# Altium PCB SVEC.pcbdoc (part 1 of 18) (continued)
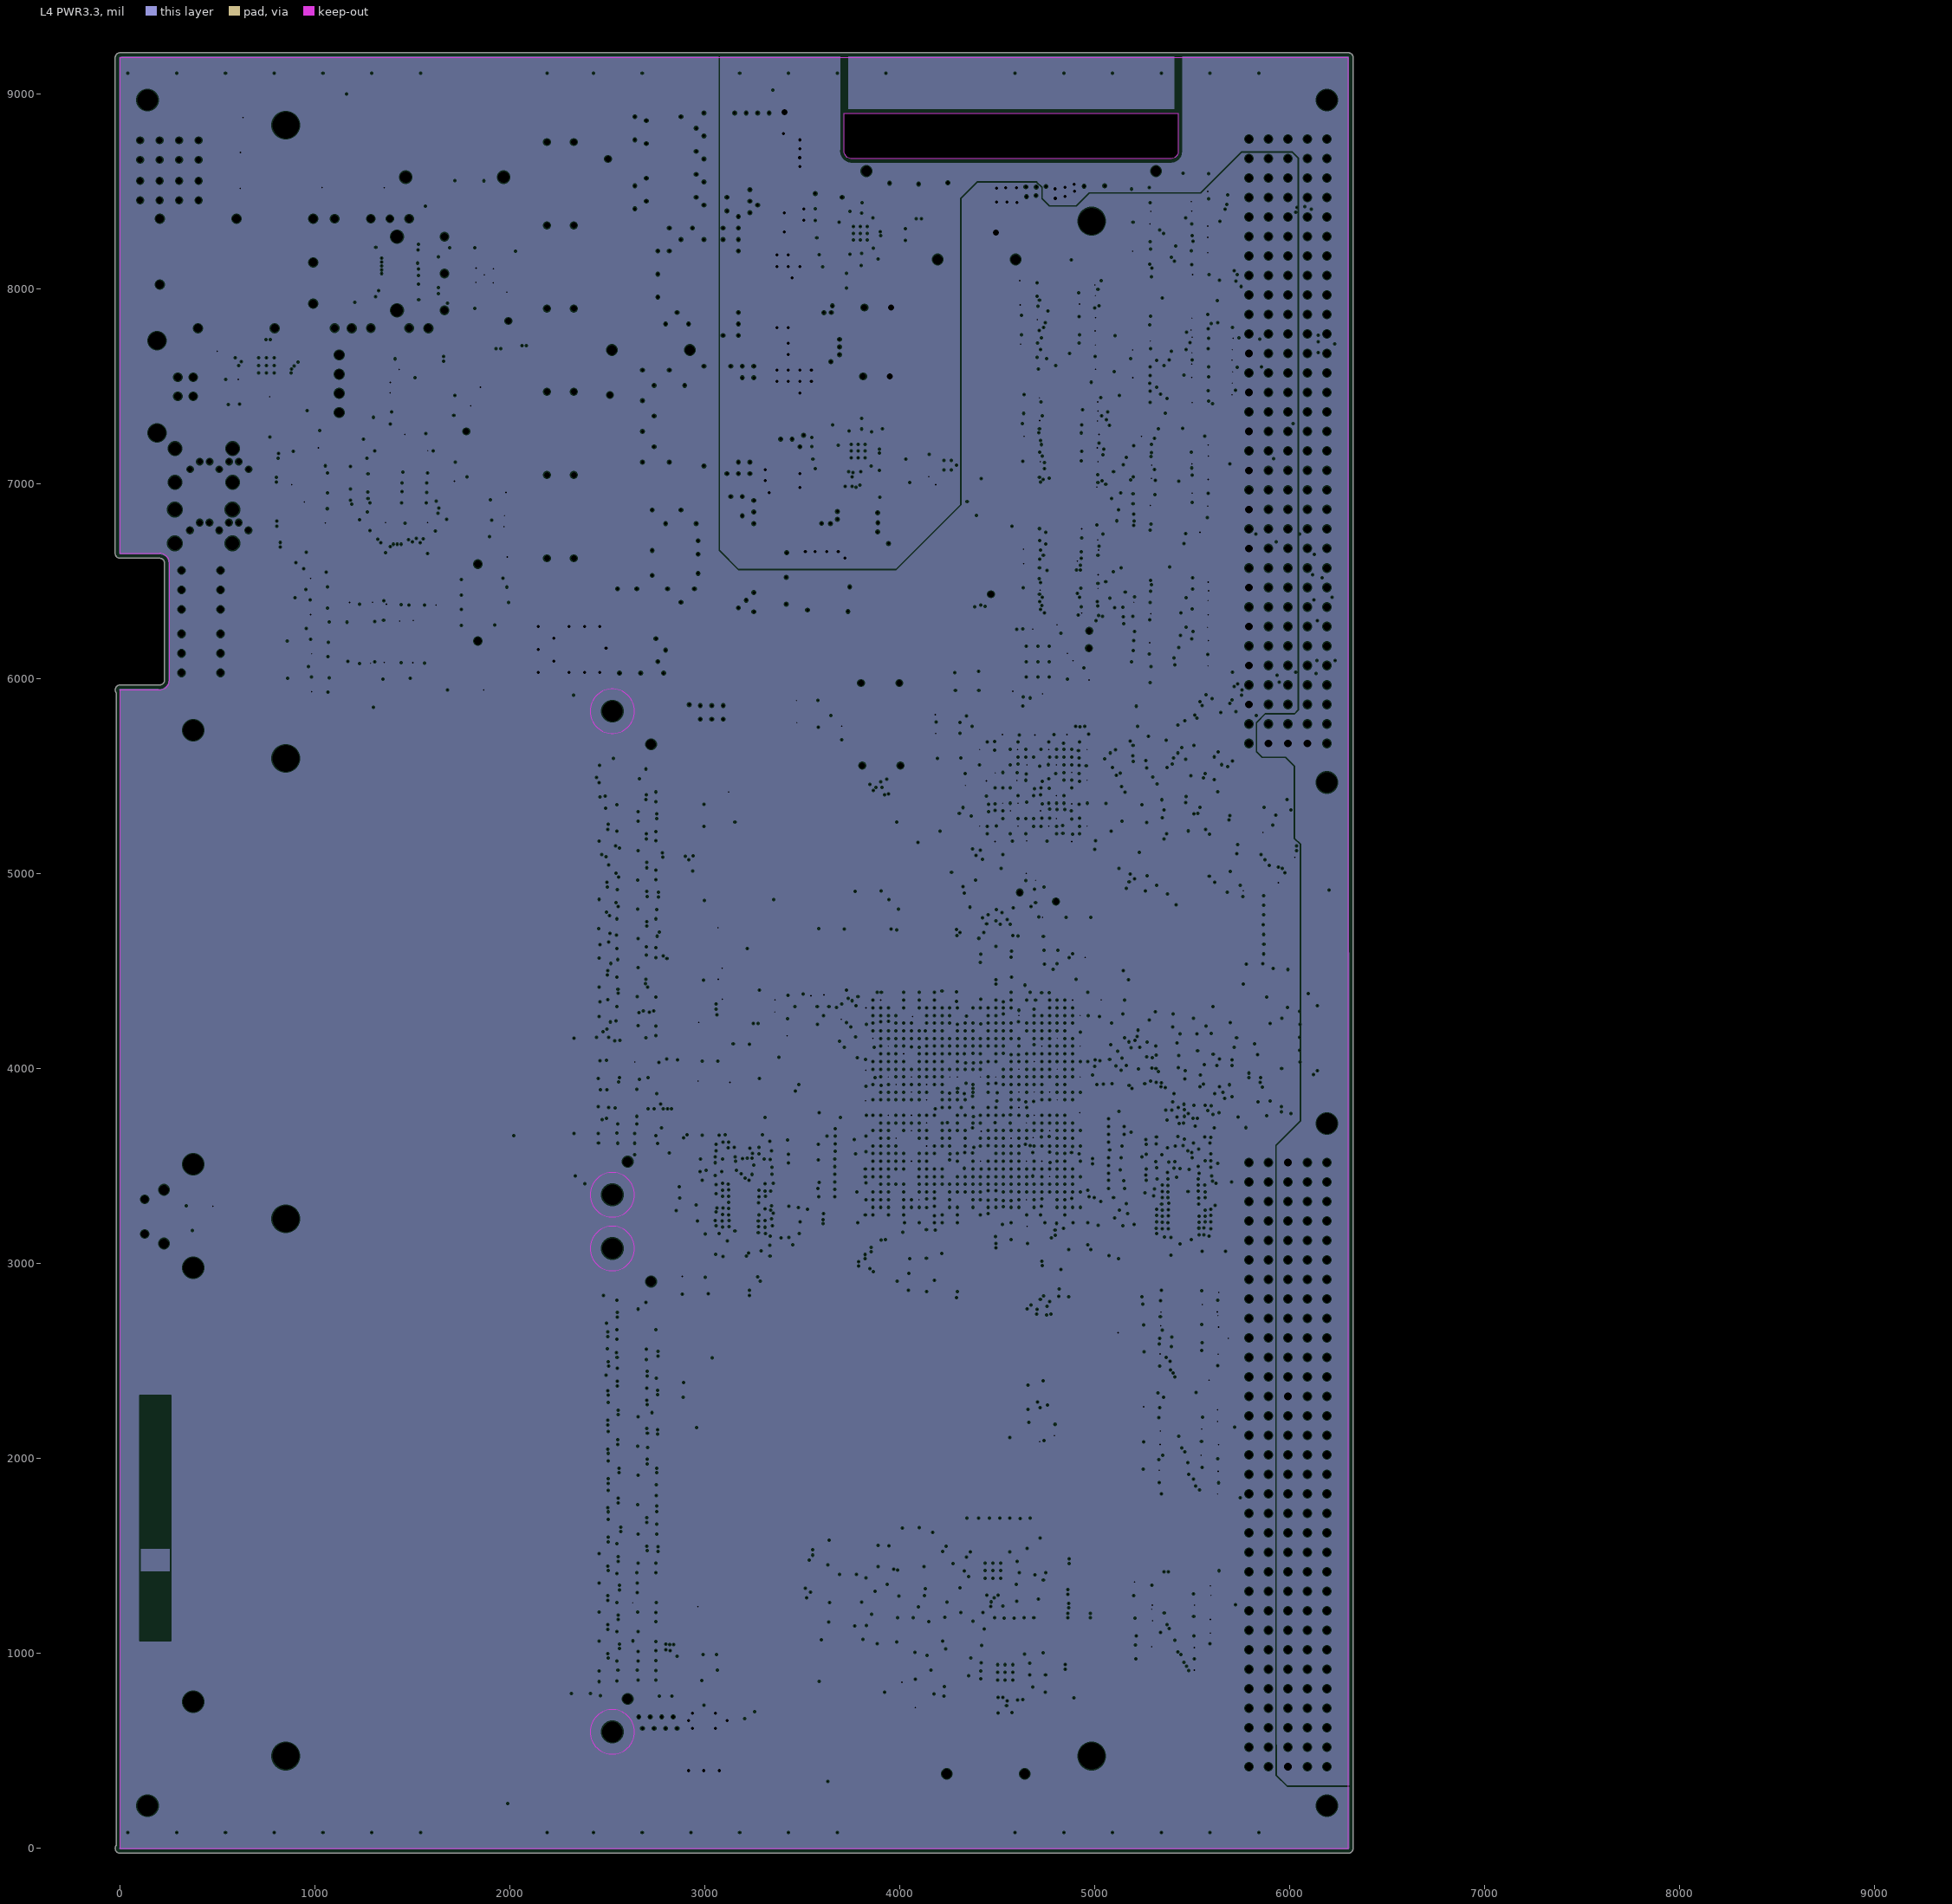
[diagram p4: L4 PWR3.3, clearances drawn from the general rule]
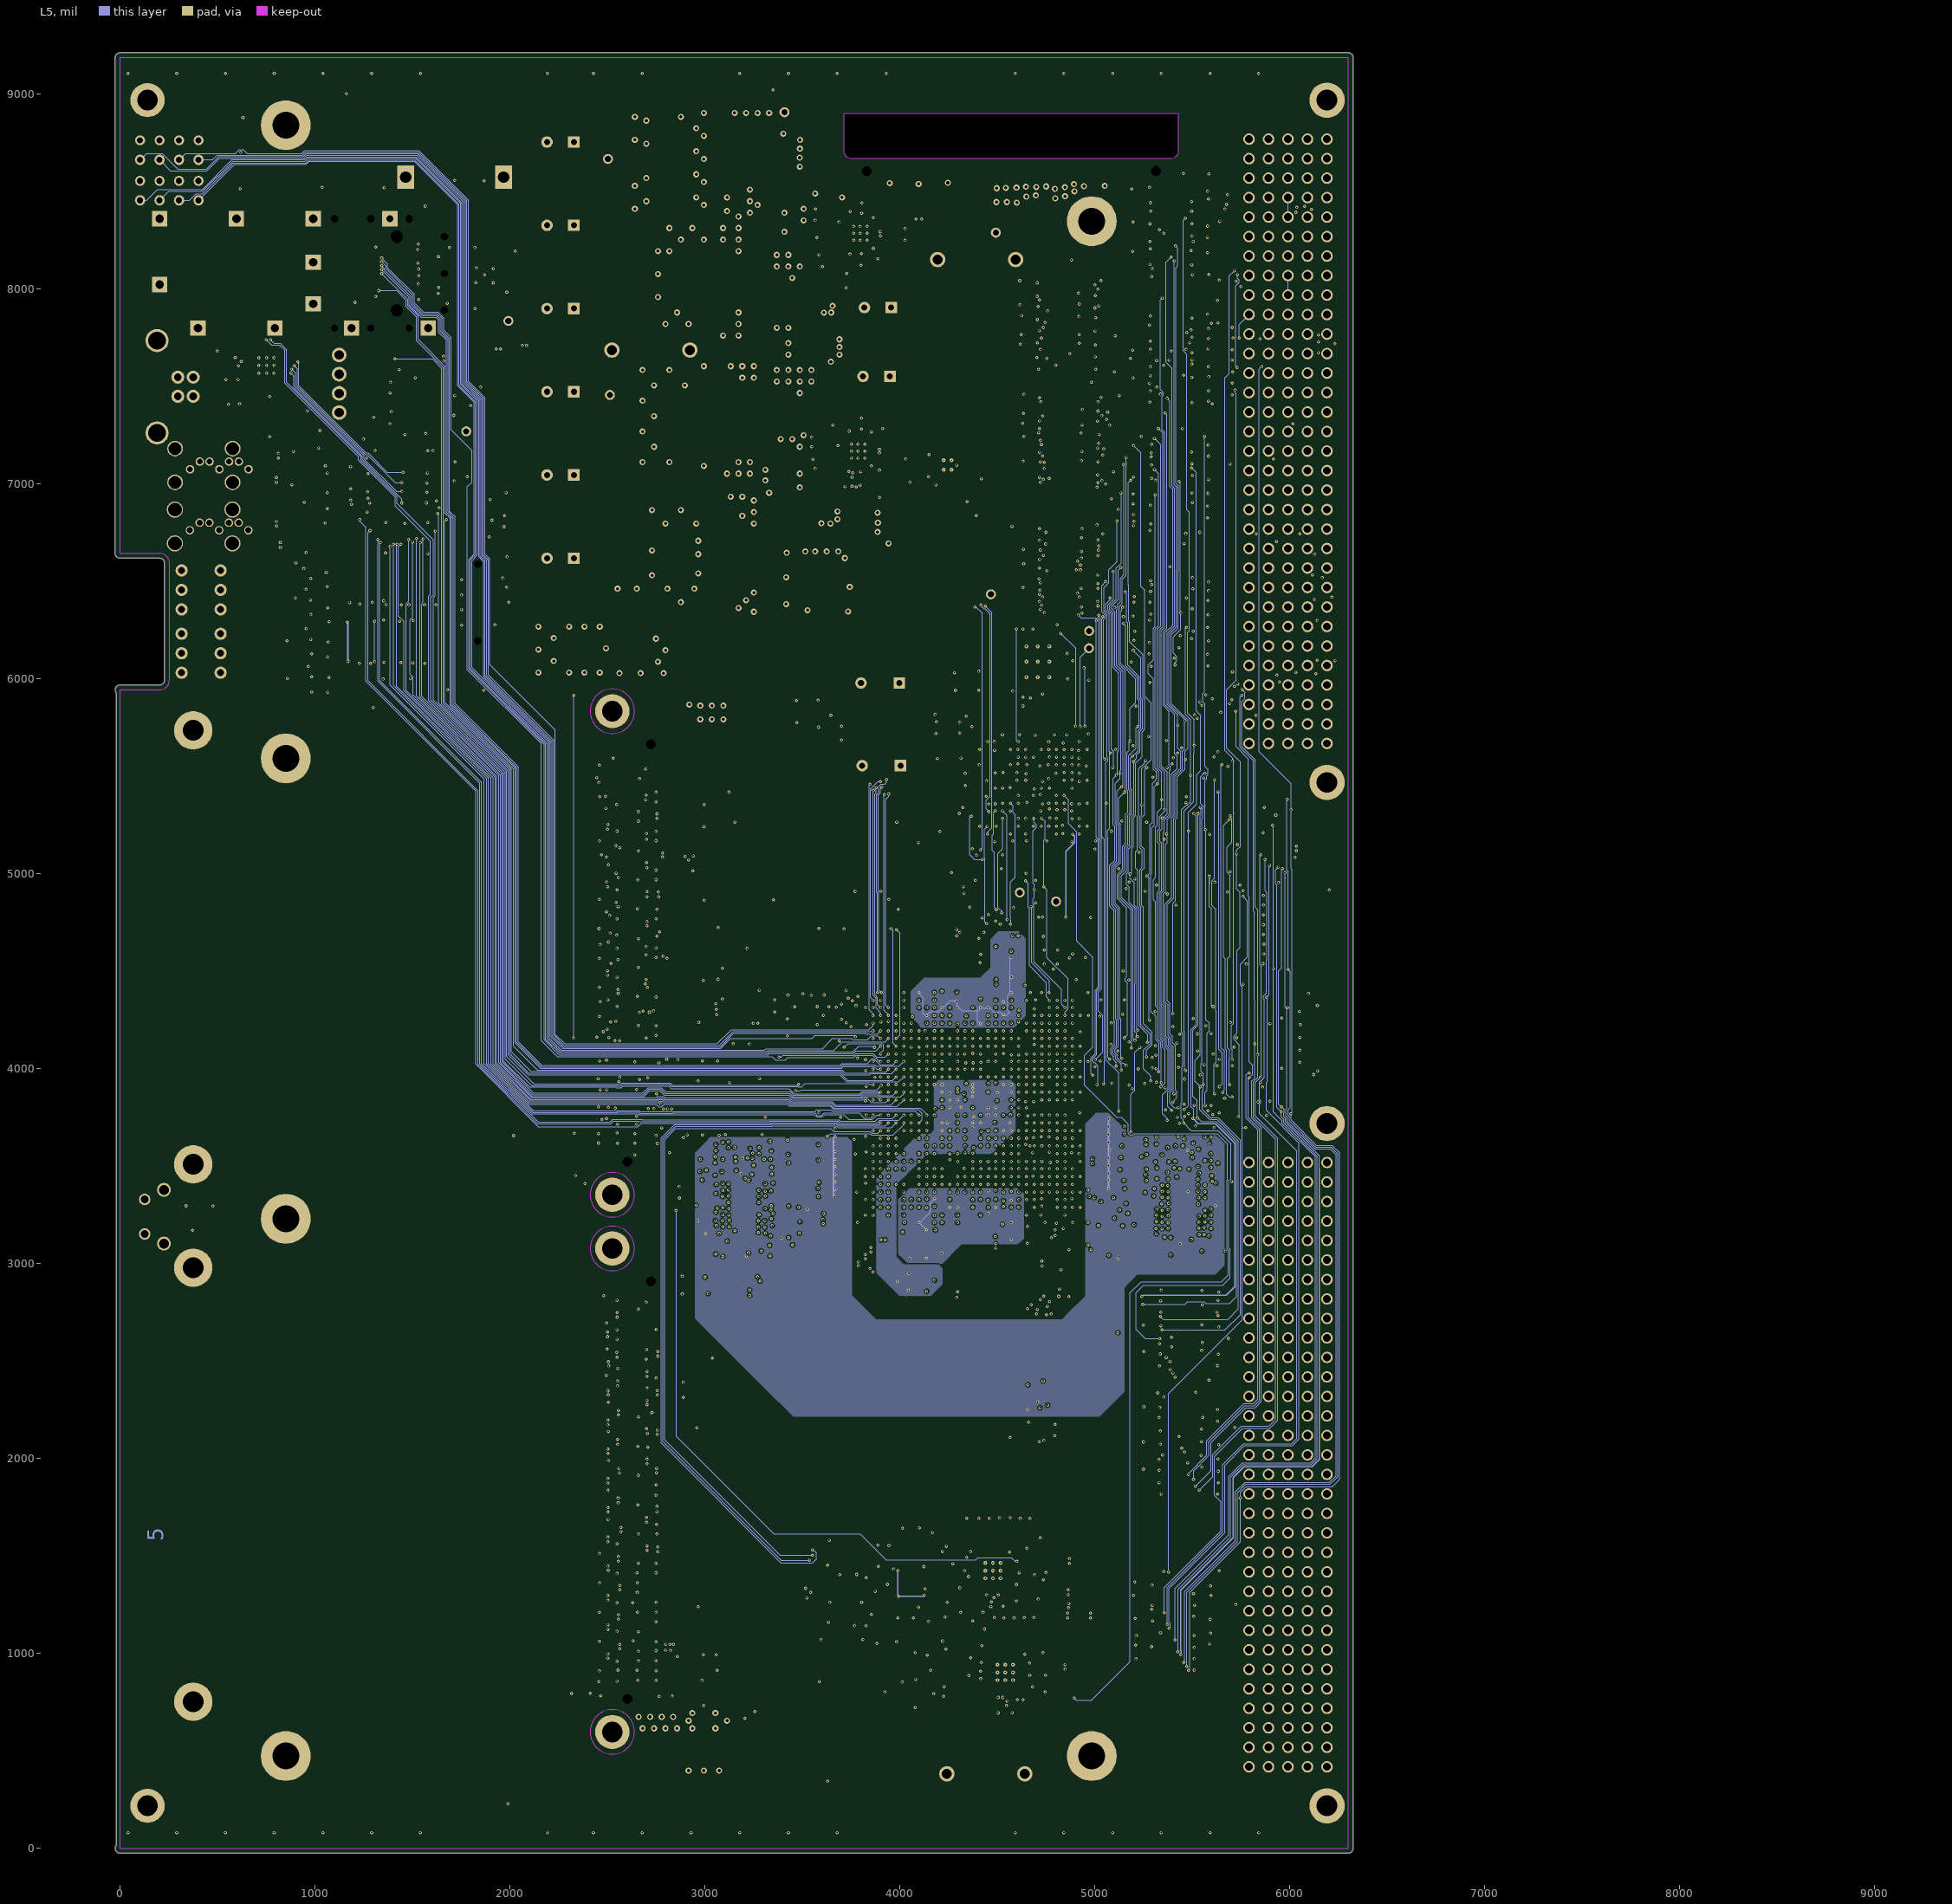
[diagram p5: L5]
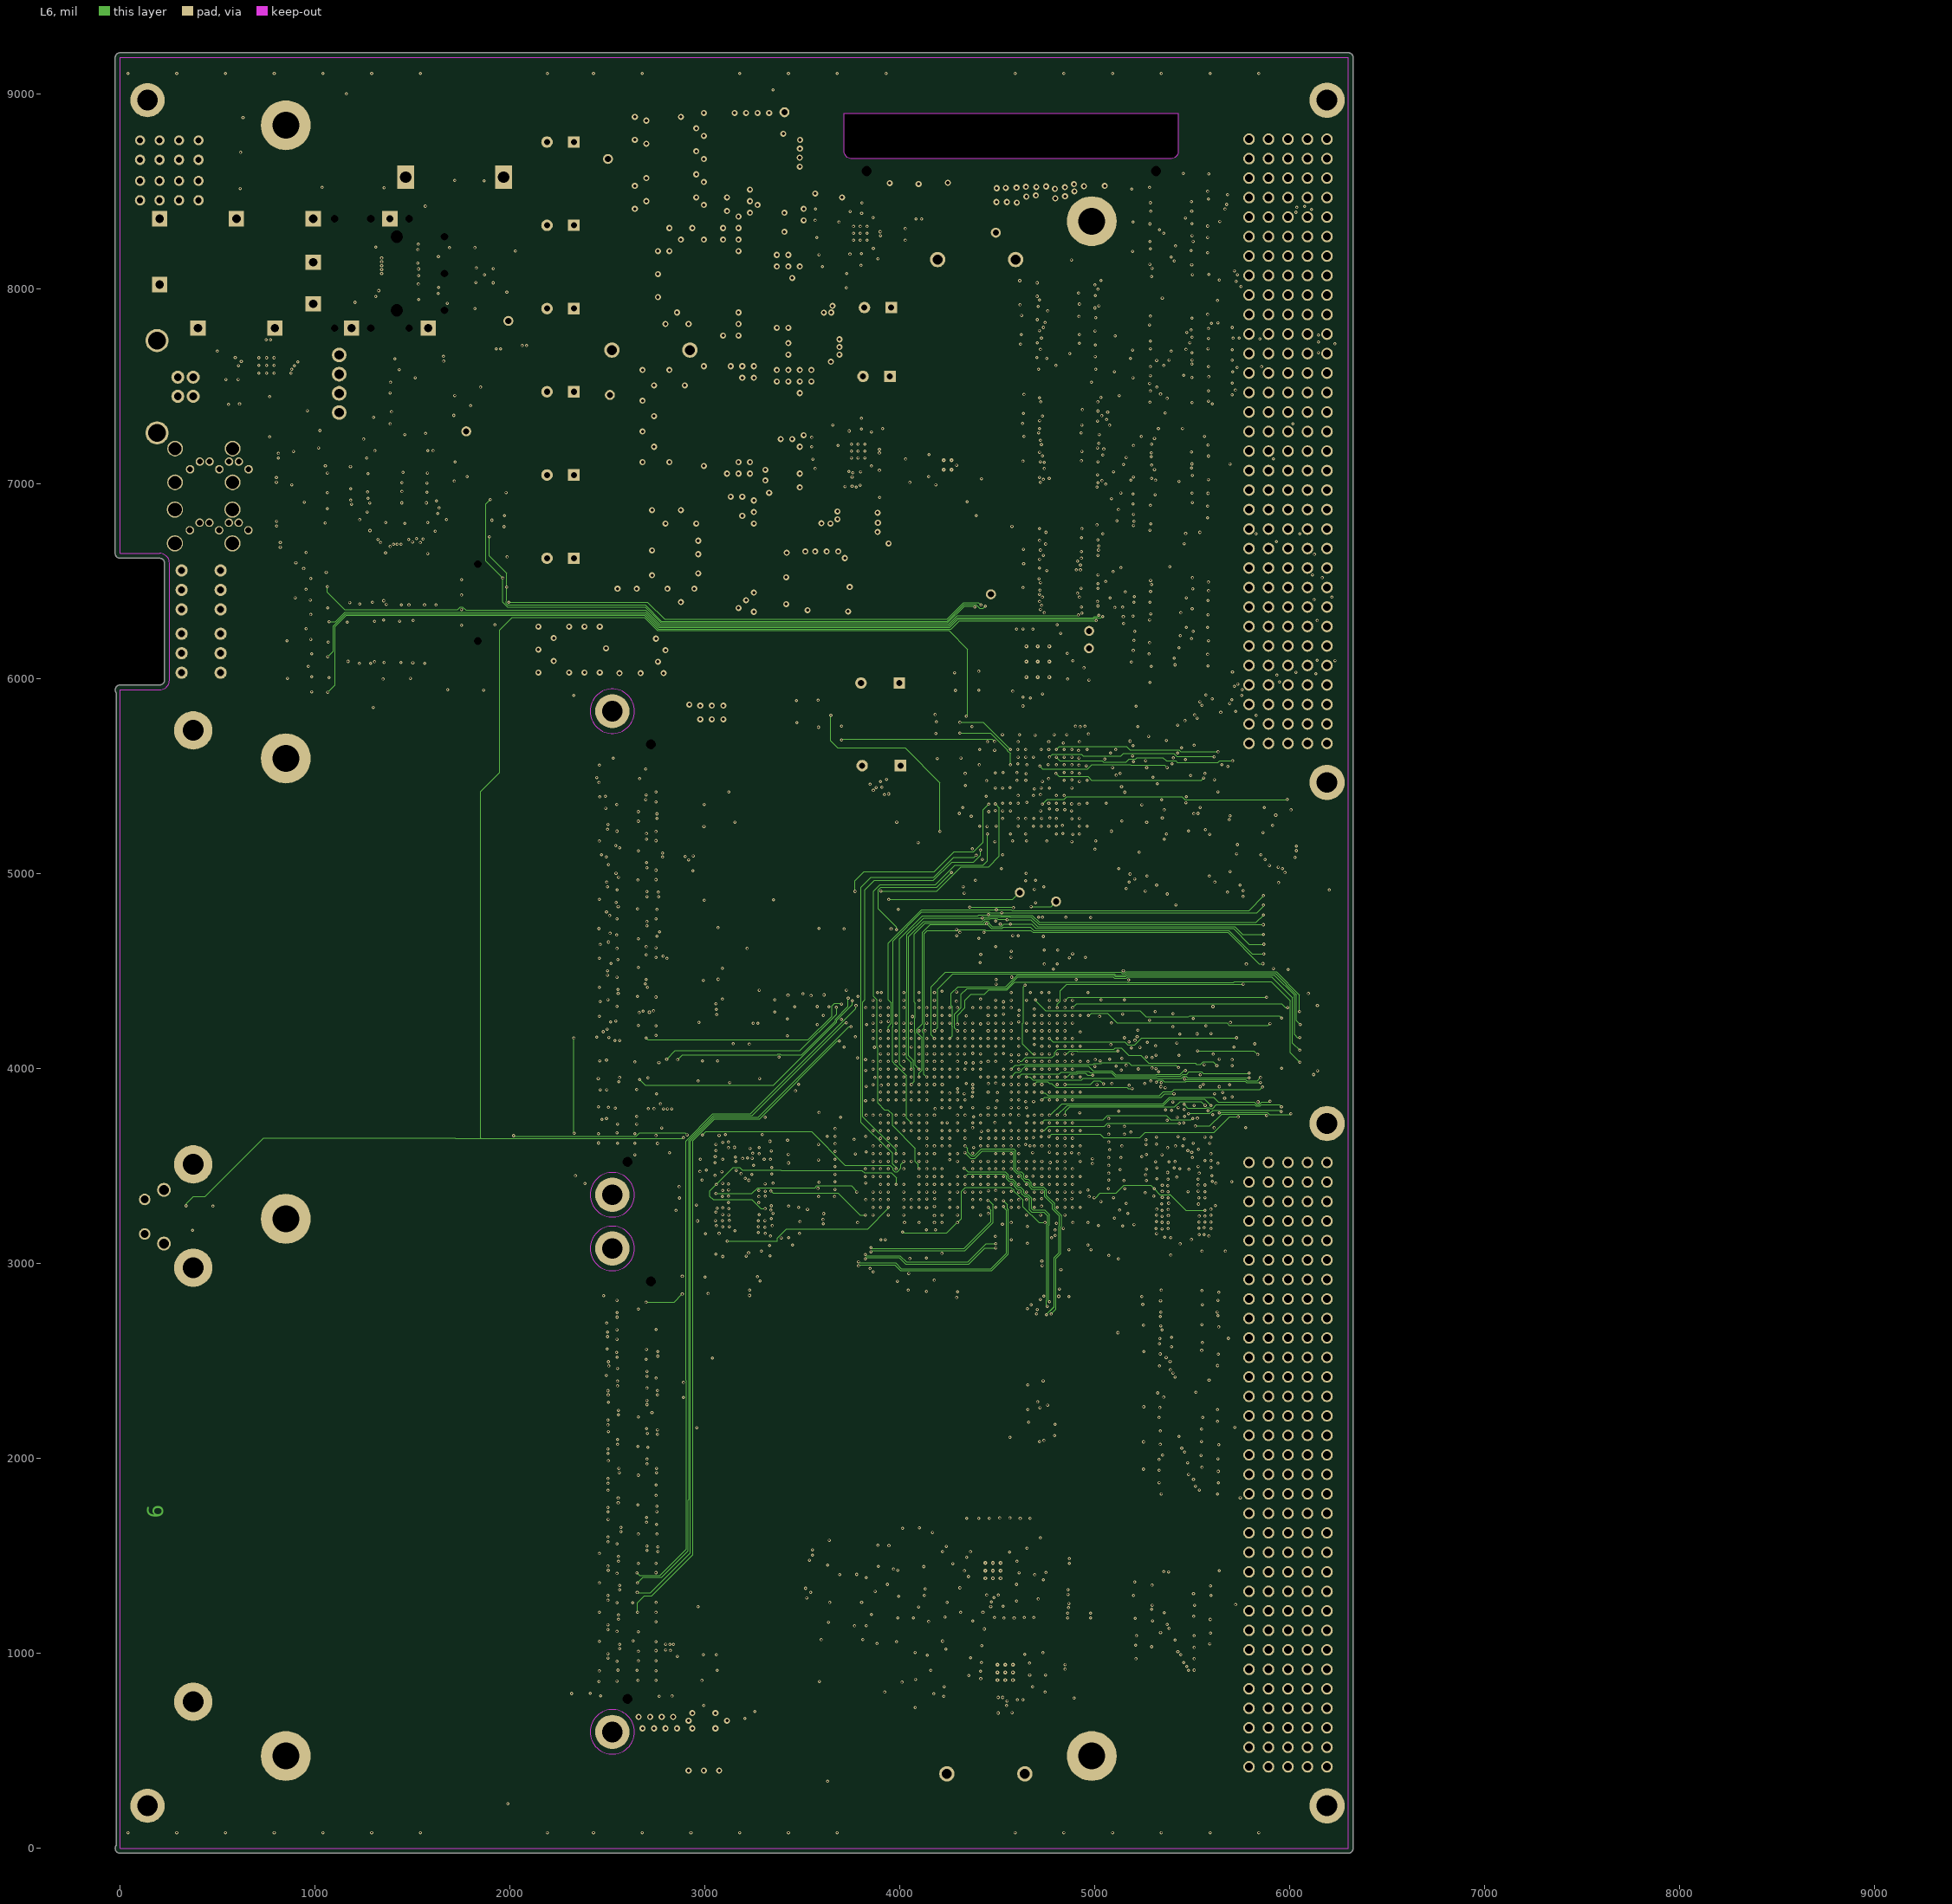
[diagram p6: L6]
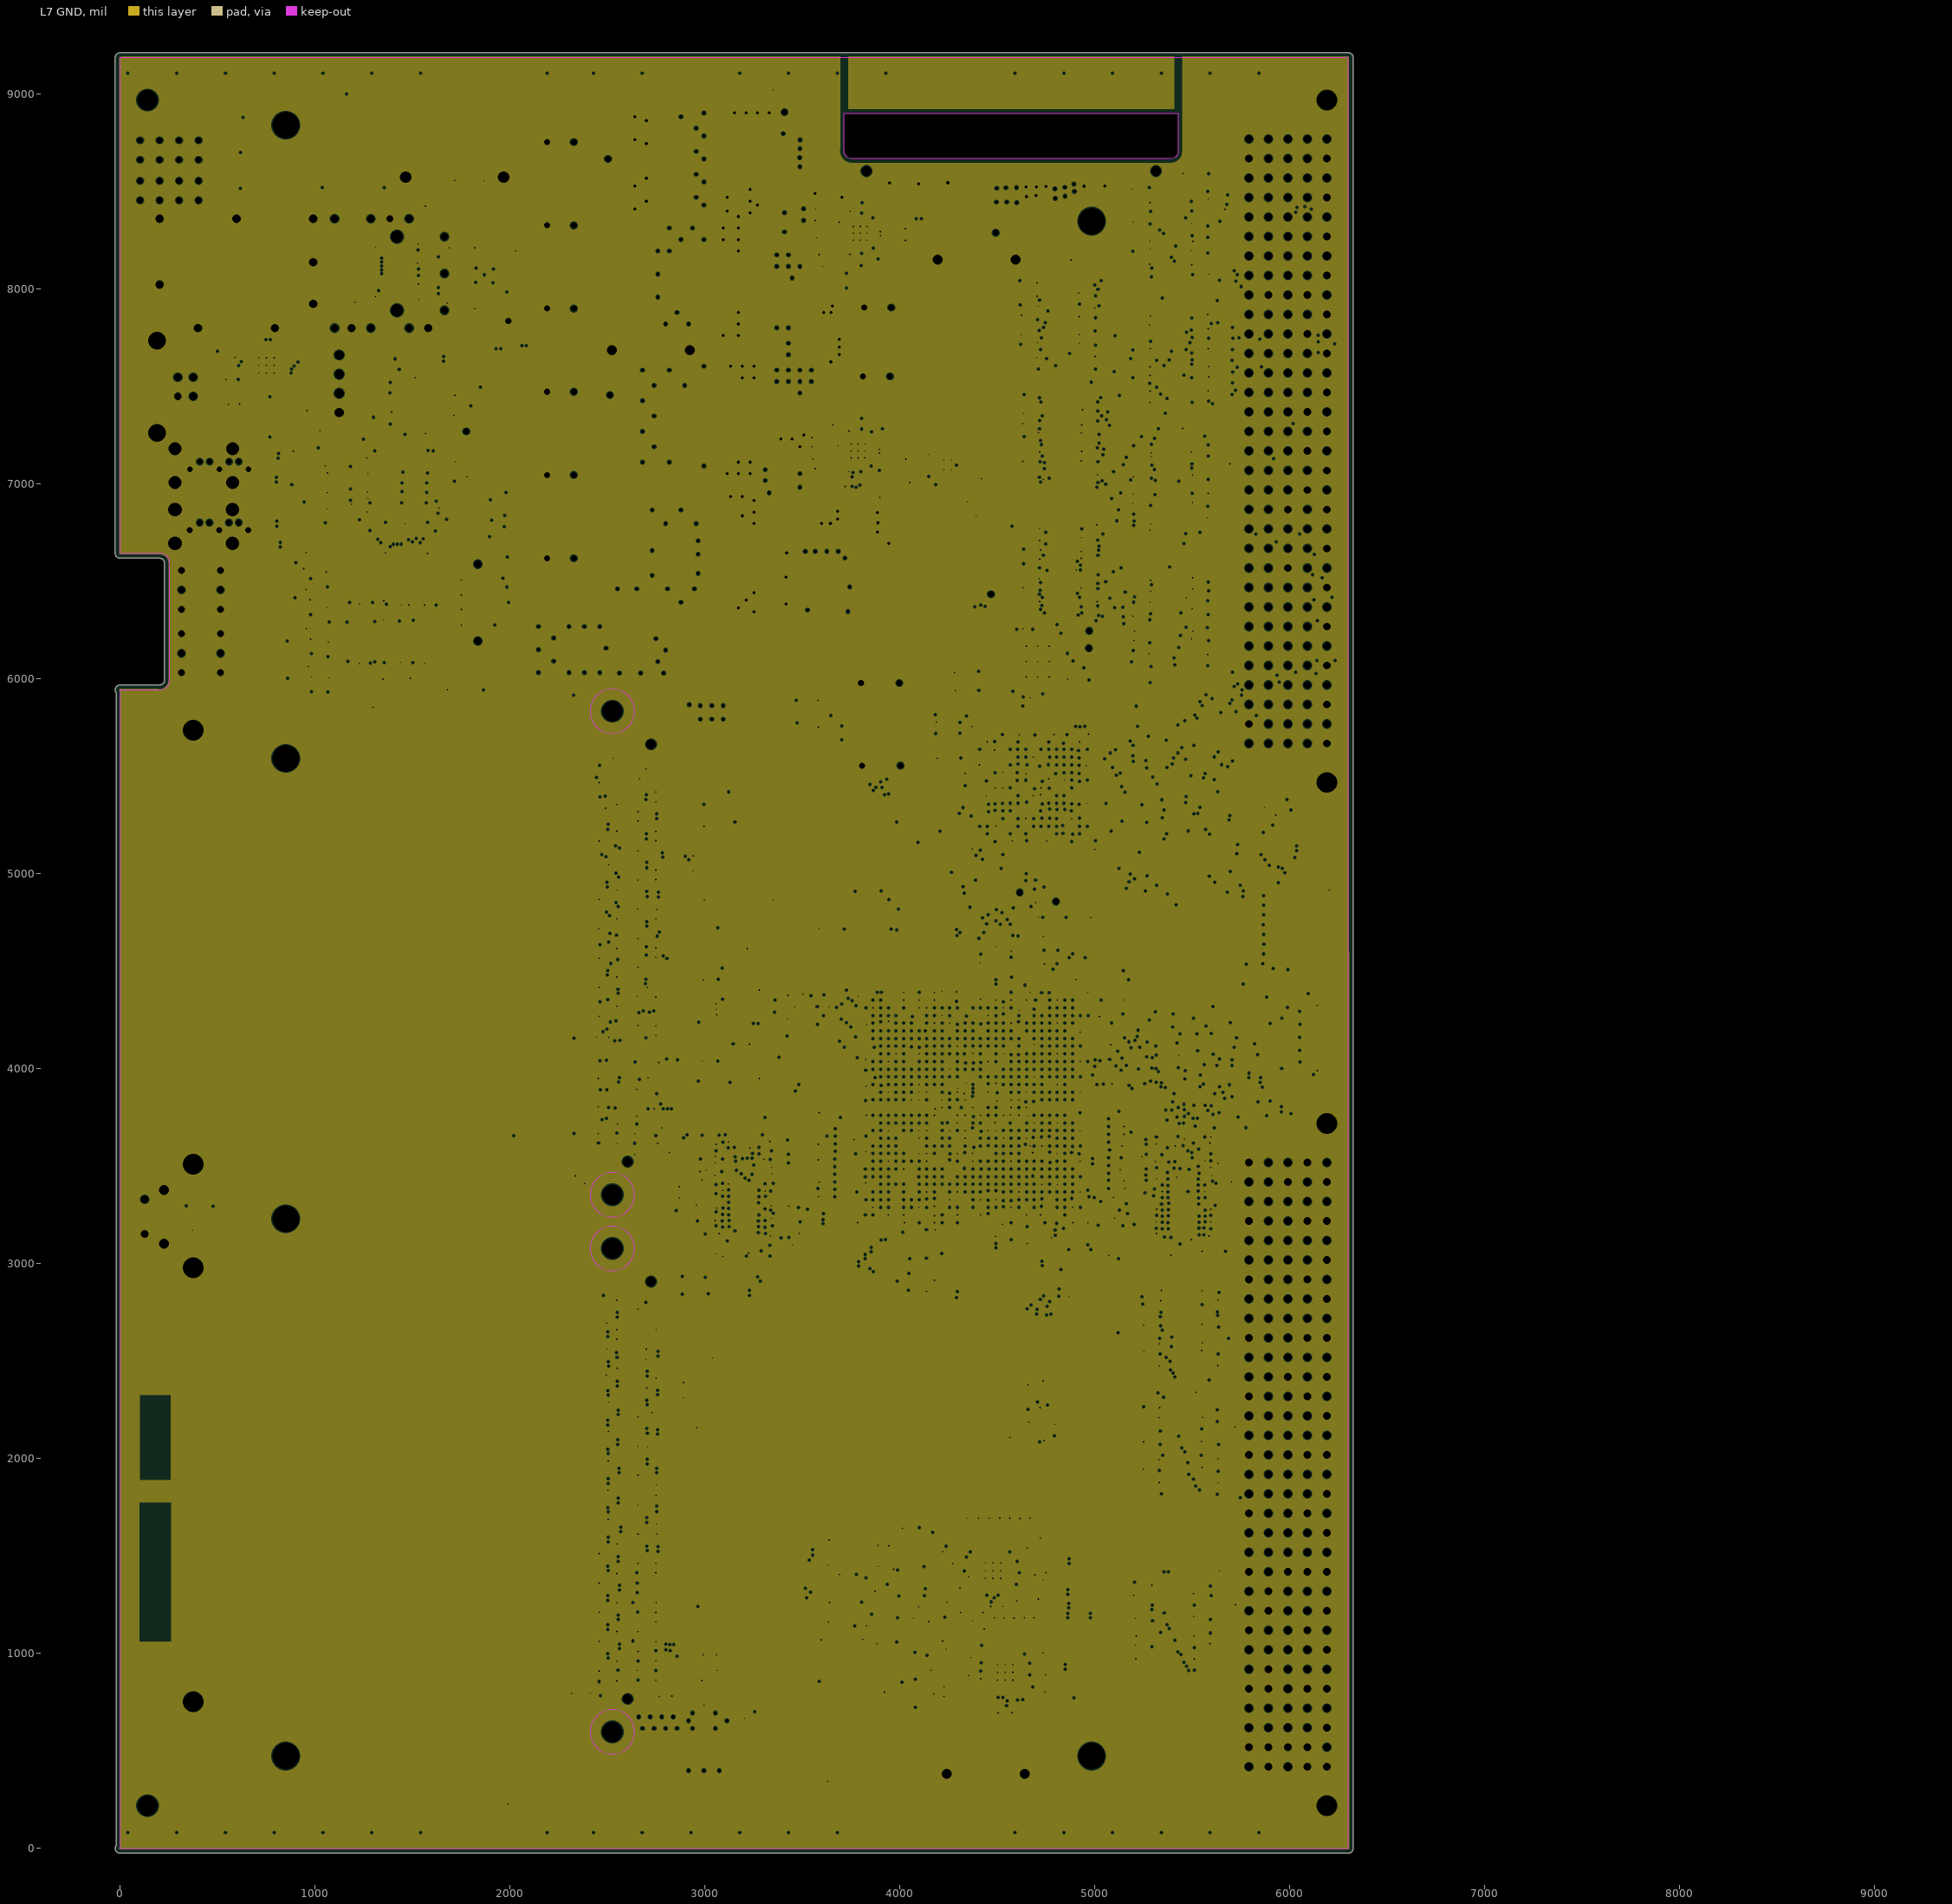
[diagram p7: L7 GND, clearances drawn from the general rule]